# Altium PCB ssmaster.PcbDoc (part 1 of 2)
Units mm, origin at the board's own origin, x right, y up, seen from the top; angles counter-clockwise.
Board outline 103 x 75 mm, 4 copper layers (Top Layer, Ground Plane 1, Mid-Layer 1, Bottom Layer); 133 components, 273 nets, 1054 pads, 471 vias.
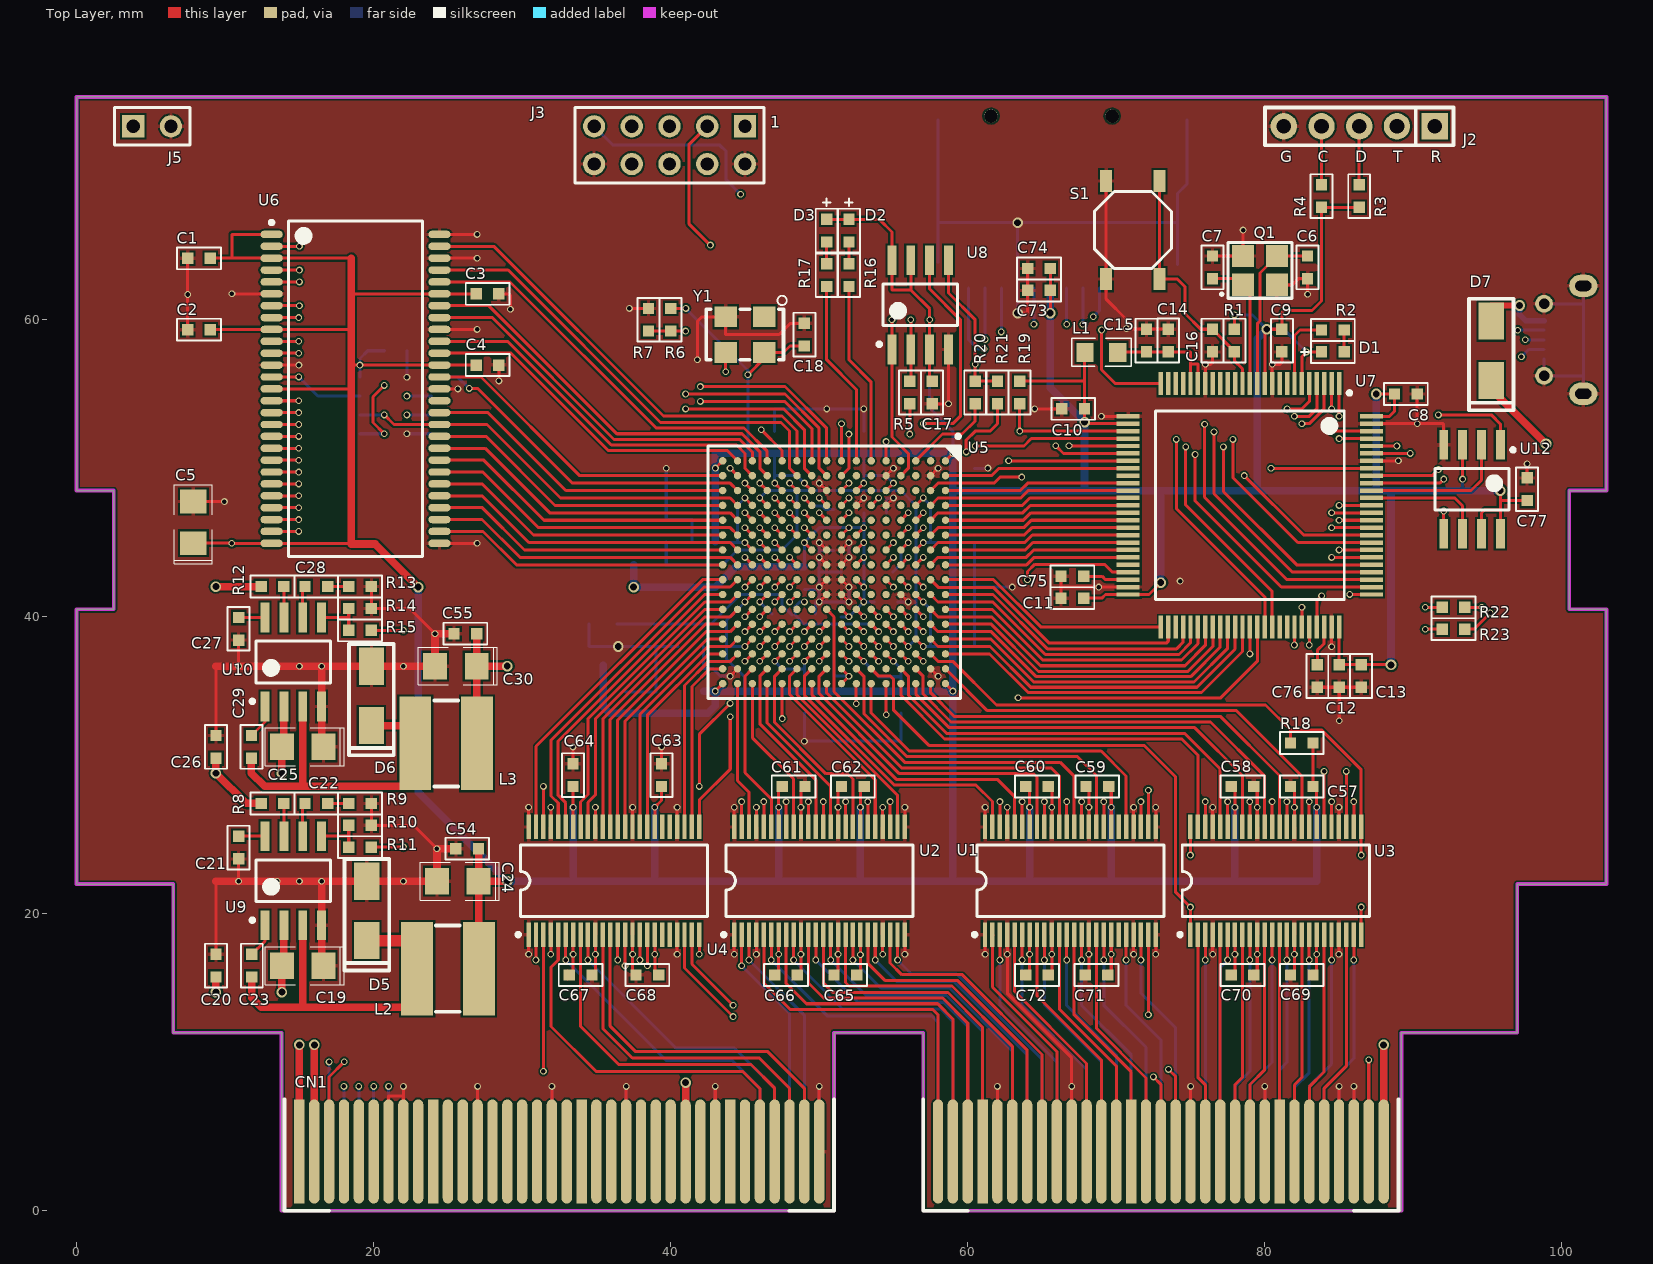
[diagram p0: Top Layer view]
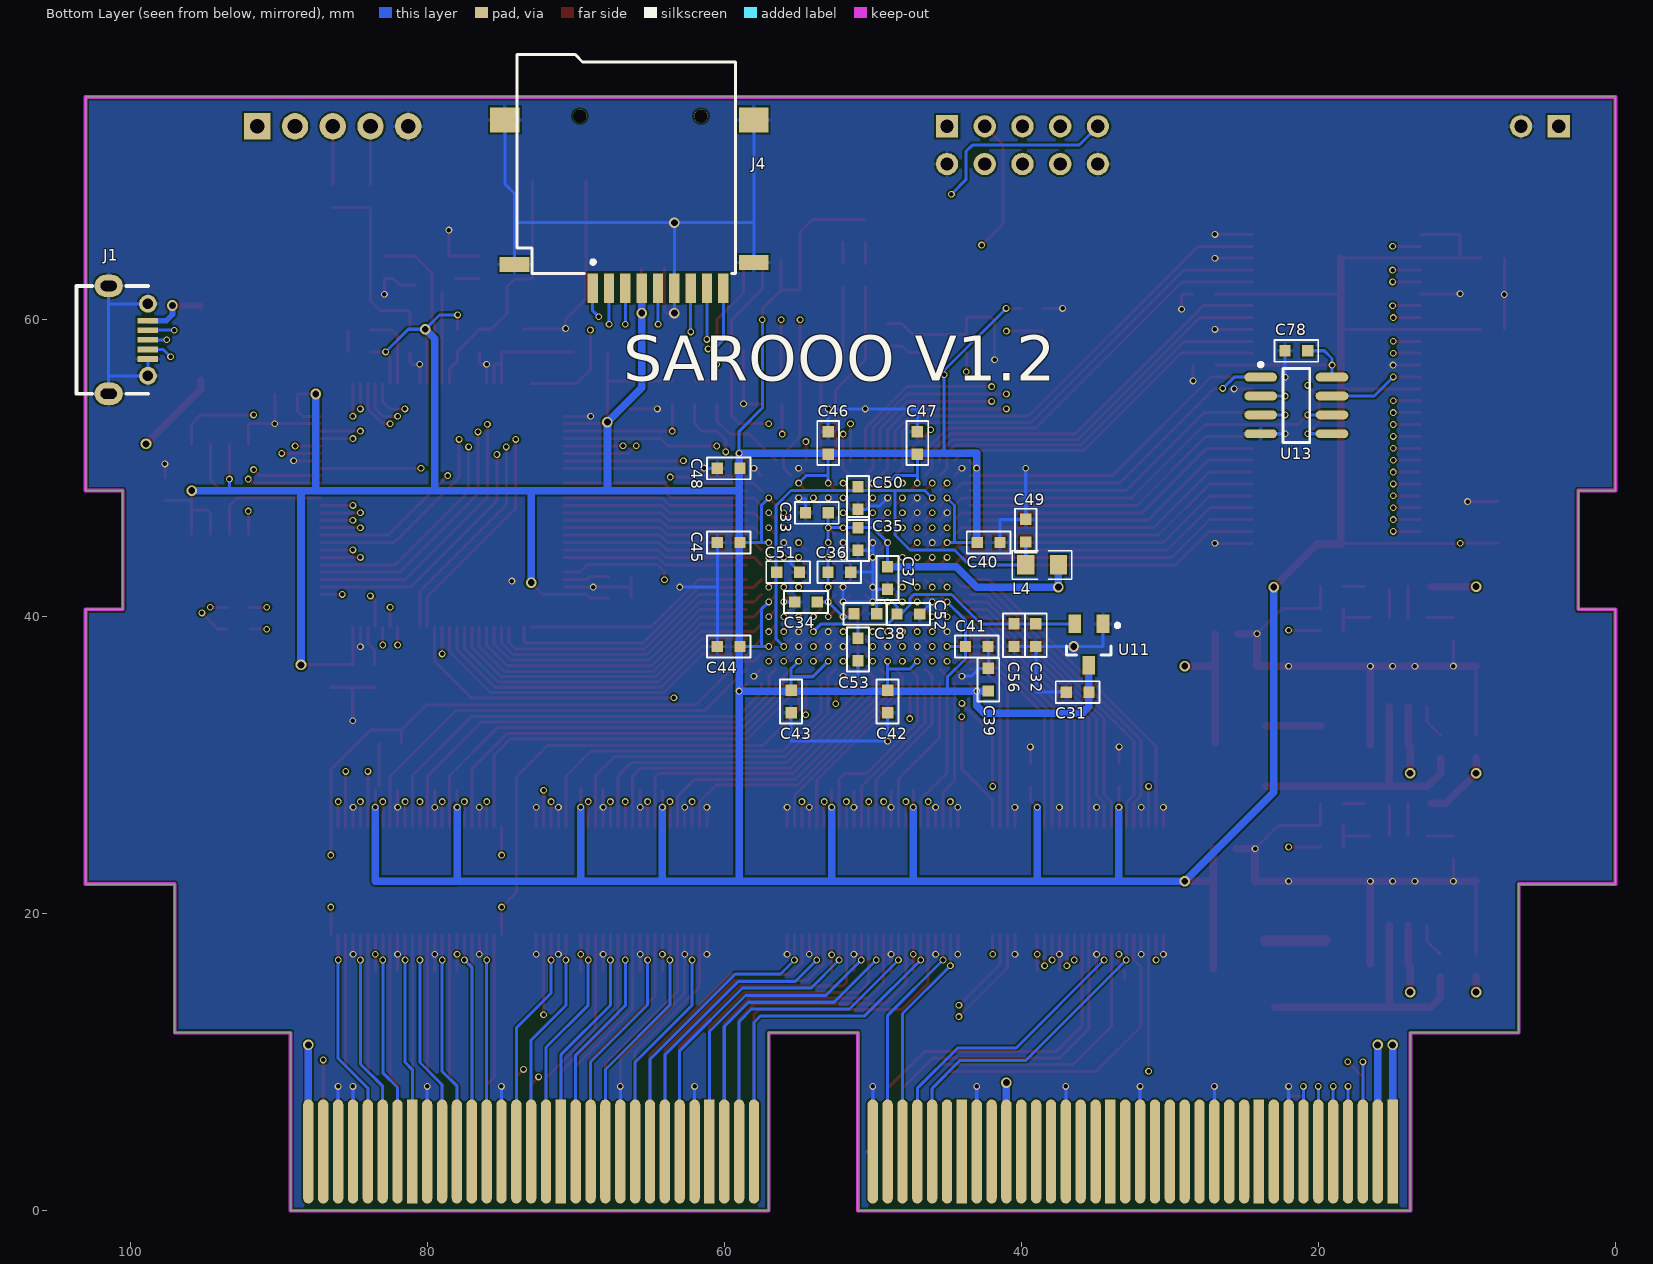
[diagram p1: Bottom Layer view, seen from below]
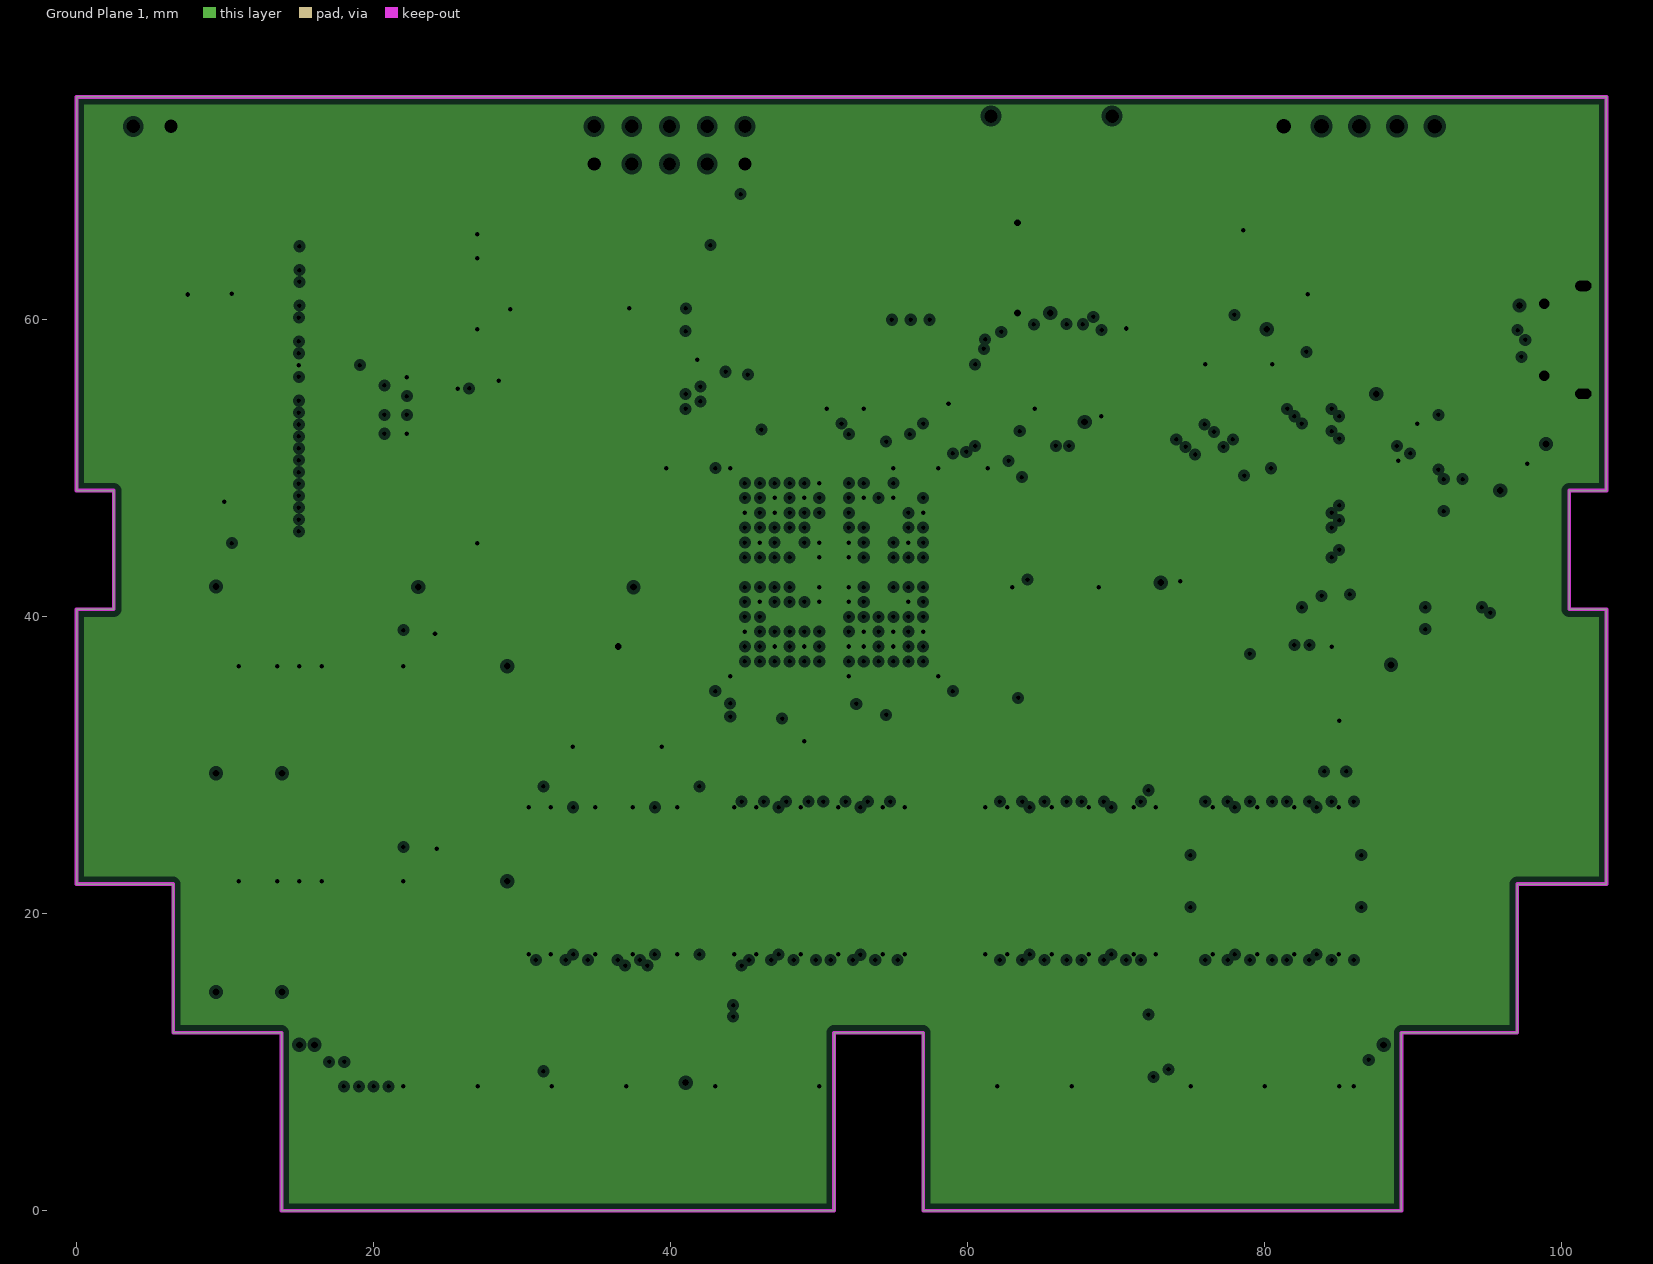
[diagram p2: Ground Plane 1, clearances drawn from the general rule]
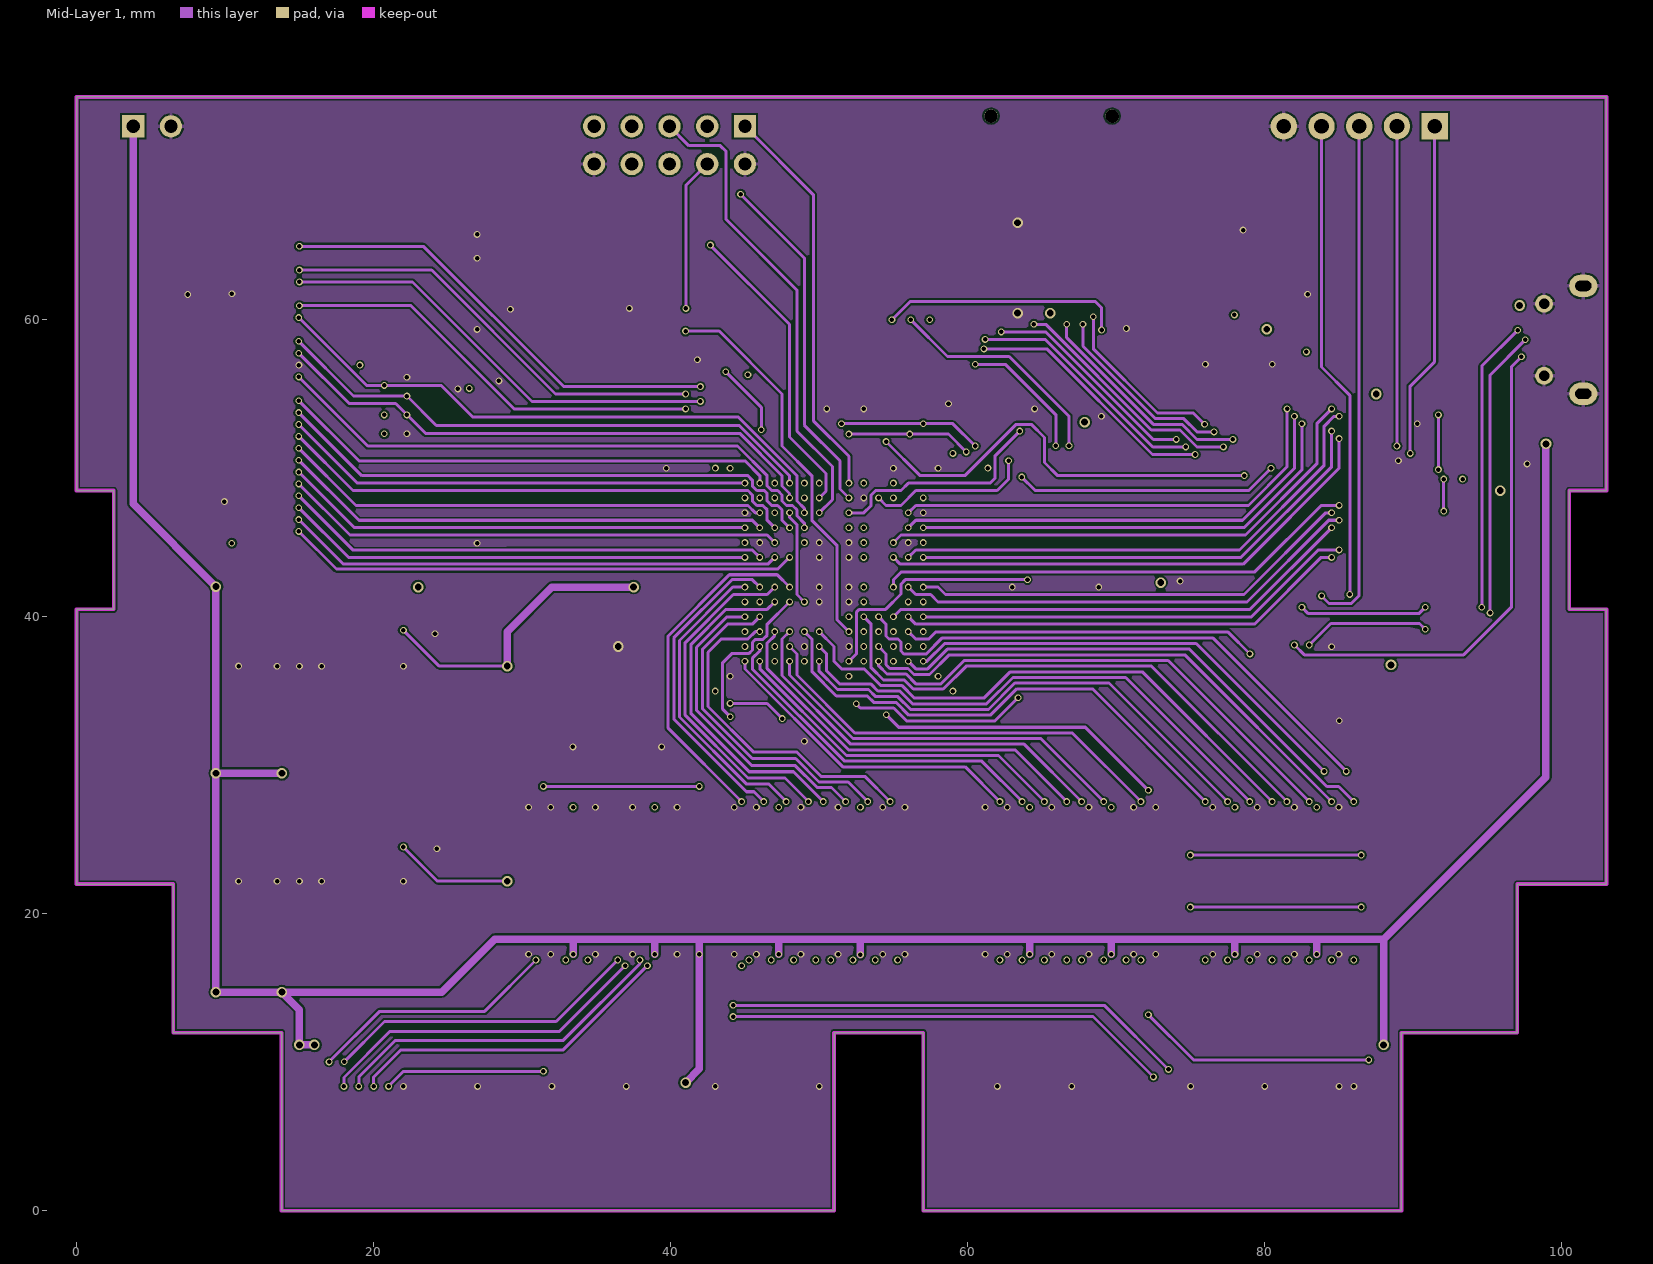
[diagram p3: Mid-Layer 1]
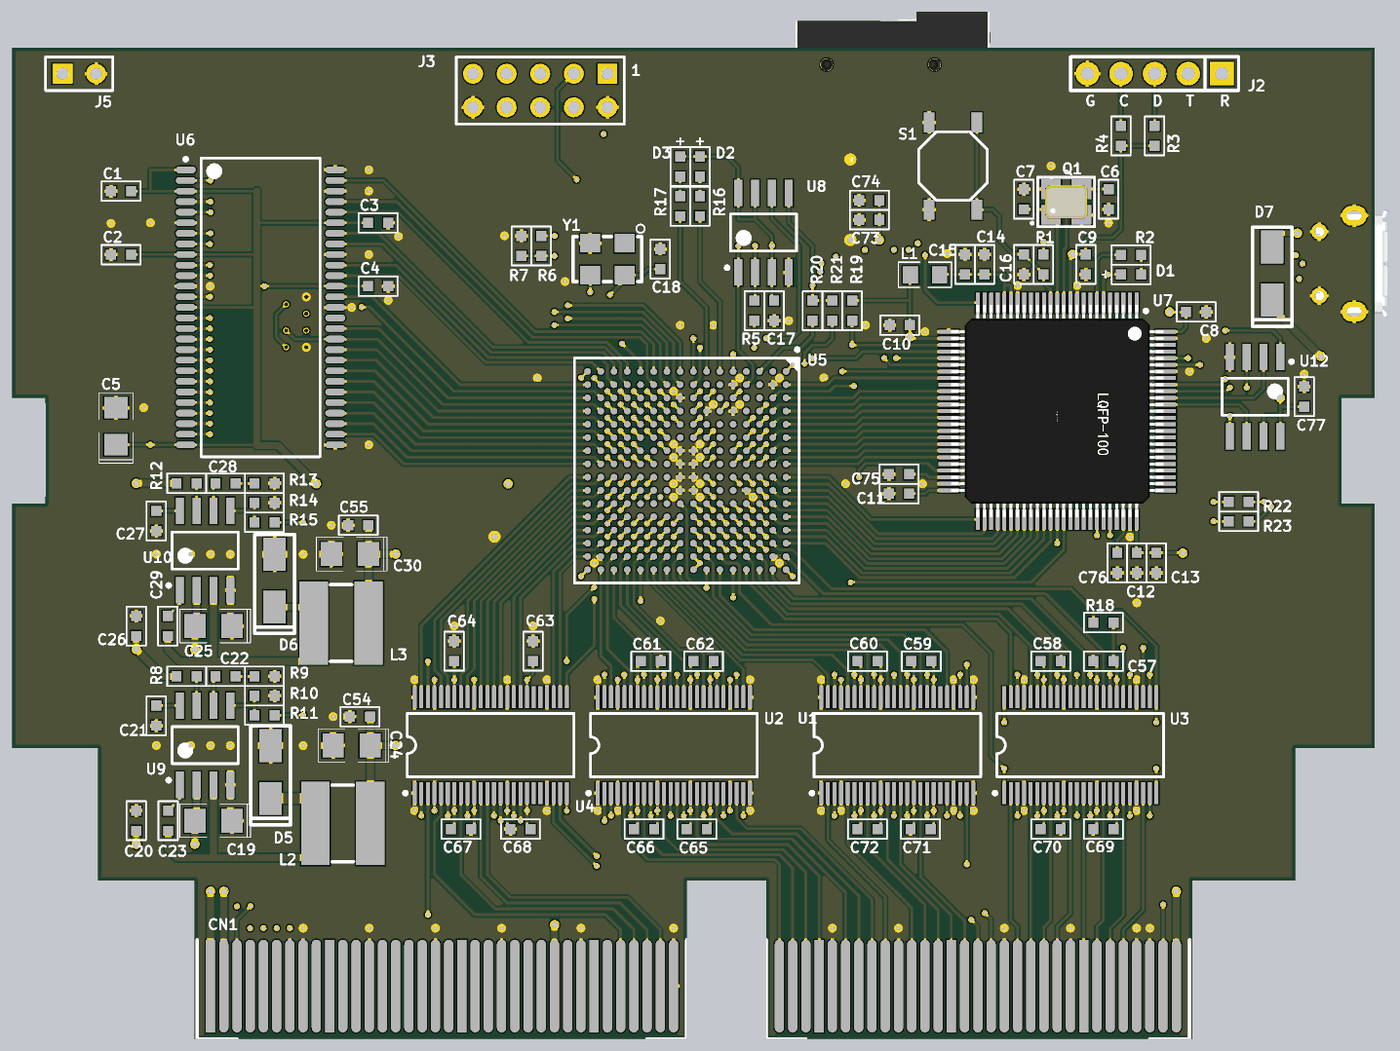
[diagram p5: 3D render of the assembled board from above, using the file's embedded part models]
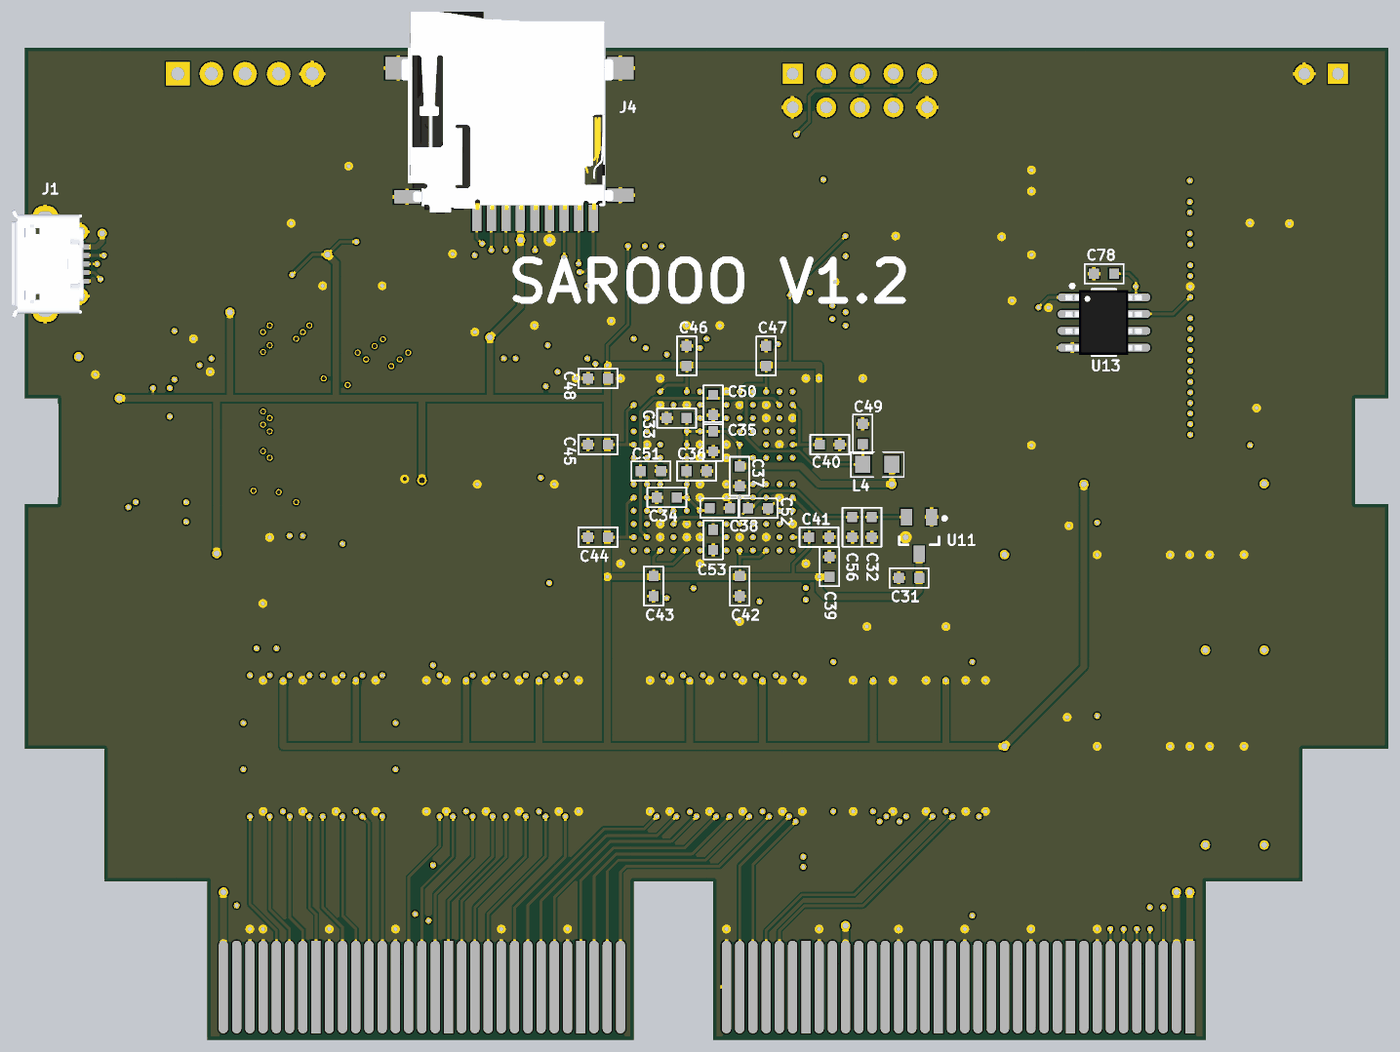
[diagram p6: 3D render of the assembled board from below, using the file's embedded part models]

## Layer stack, top to bottom
Top Layer: signal copper 0.0356
Dielectric: core 0.32, FR-4, Dk 4.8
Ground Plane 1: plane copper 0.0356, net GND
Dielectric: prepreg 0.32, FR-4, Dk 4.8
Mid-Layer 1: signal copper 0.0356
Dielectric: core 0.32, FR-4, Dk 4.8
Bottom Layer: signal copper 0.0356

## Board outline
13.8,0 13.8,12 6.5,12 6.5,22 0,22 0,40.5 2.5,40.5 2.5,48.5 0,48.5 0,75 103,75 103,48.5 100.5,48.5 100.5,40.5 103,40.5 103,22 97,22 97,12 89.2,12 89.2,0 57,0 57,12 51,12 51,0

## Design rules (kind name [scope] priority, off if disabled: settings)
AssemblyTestPointUsage [All] p1: valid=2
Clearance [All] p1: gap=0.127
ComponentClearance [All] p1: gap=0 collisioncheckmode=3 verticalgap=0 showdistances=FALSE
FabricationTestPointUsage [All] p1: valid=2 allowmultiple=FALSE
MinimumSolderMaskSliver [All] p1: minsoldermaskwidth=0.025
PlaneClearance [All] p1: clearance=0.254
PlaneConnect [All] p1: planeconnectstyle=Direct reliefexpansion=0.508 reliefentries=4 reliefconductorwidth=0.254 reliefairgap=0.254
PolygonConnect PolygonConnect_via [IsVia] p1: connectstyle=Direct reliefconductorwidth=0.254 reliefentries=4 polygonreliefangle="90 Angle"
PolygonConnect [All] p2: connectstyle=Relief reliefconductorwidth=0.254 reliefentries=4 polygonreliefangle="90 Angle"
RoutingVias [All] p1: holewidth=0.305 width=0.457 viastyle="Through Hole" minholewidth=0.305 minwidth=0.457 maxholewidth=0.457 maxwidth=0.711
SilkToSilkClearance [All] p1: silktosilkclearance=0
SilkscreenOverComponentPads [IsPad] p1: minsilkscreentomaskgap=0
SolderMaskExpansion SolderMaskExpansion_1 [(IsVia)] p1: expansion=0
SolderMaskExpansion [All] p2: expansion=0.102
Width [All] p1: maxlimit=1.27 minlimit=0.203 preferedwidth=0.203
20 further rules are at their usual default settings.

## Classes and differential pairs
component class Power: C19 C20 C21 C22 C23 C24 C25 C26 C27 C28 C29 C30 C31 C32 C54 C55 C56 D5 D6 J5 L2 L3 R8 R9 R10 R11 R12 R13 R14 R15 U9 U10 U11
component class FPGA_parts: C17 C18 C33 C34 C35 C36 C37 C38 C39 C40 C41 C42 C43 C44 C45 C46 C47 C48 C49 C50 C51 C52 C53 D2 D3 J3 L4 R5 R6 R7 R16 R17 R19 R20 R21 U5 U8 Y1
component class SDRAM: C1 C2 C3 C4 C5 C78 U6 U13
component class STM32: C6 C7 C8 C9 C10 C11 C12 C13 C14 C15 C16 C73 C74 C75 C76 C77 D1 D7 J1 J2 J4 L1 Q1 R1 R2 R3 R4 R22 R23 S1 U7 U12
component class Saturn_Cartage: C57 C58 C59 C60 C61 C62 C63 C64 C65 C66 C67 C68 C69 C70 C71 C72 CN1 R18 U1 U2 U3 U4

## Components (designator, comment, footprint, x,y, rotation, side; value= is the part's Value field where it differs from the comment)
C1 "100nF" C0603 8.239,64.135 r180 top
C2 "100nF" C0603 8.239,59.334 r180 top
C3 "100nF" C0603 27.67,61.747 r0 top
C4 "100nF" C0603 27.67,56.947 r0 top
C5 "10uF" C1206 7.858,46.355 r90 top
C6 "22pF" C0603 82.88,63.525 r90 top
C7 "22pF" C0603 76.479,63.525 r270 top
C8 "100nF" C0603 89.5,55 r0 top
C9 "100nF" C0603 81.153,58.598 r270 top
C10 "100nF" C0603 67.1,54 r180 top
C11 "100nF" C0603 67.047,41.25 r180 top
C12 "100nF" C0603 85.014,36.017 r270 top
C13 "4.7uF" C0603 86.487,36.017 r270 top
C14 "10nF" C0603 73.5,58.6 r90 top
C15 "1uF" C0603 72.034,58.598 r90 top
C16 "100nF" C0603 76.479,58.598 r90 top
C17 "100pF" C0603 57.6,55.1 r270 top
C18 "100nF" C0603 49,59 r90 top
C19 "10uF" C1206 15.224,16.51 r180 top
C20 "100nF" C0603 9.382,16.51 r90 top
C21 "100nF" C0603 10.906,24.46 r270 top
C22 "3.3nF" C0603 16.138,27.432 r0 top
C23 "10nF" C0603 11.795,16.51 r270 top
C24 "22uF" C1206 25.663,22.2 r180 top
C25 "10uF" C1206 15.224,31.242 r180 top
C26 "100nF" C0603 9.382,31.242 r90 top
C27 "100nF" C0603 10.906,39.192 r270 top
C28 "4.7nF" C0603 16.138,42.037 r0 top
C29 "10nF" C0603 11.77,31.242 r270 top
C30 "22uF" C1206 25.536,36.678 r180 top
C31 "4.7uF" C0603 36.209,34.925 r0 bottom
C32 "4.7uF" C0603 39.024,38.76 r270 bottom
C33 "100nF" C0603 53.762,47 r0 bottom
C34 "100nF" C0603 54.5,41 r0 bottom
C35 "100nF" C0603 51,45.24 r270 bottom
C36 "100nF" C0603 52.255,43 r180 bottom
C37 "10nF" C0603 49.006,42.607 r270 bottom
C38 "4.7uF" C0603 50.5,40.2 r180 bottom
C39 "4.7uF" C0603 42.224,35.763 r90 bottom
C40 "100nF" C0603 42.2,45 r180 bottom
C41 "100nF" C0603 43,38 r180 bottom
C42 "100nF" C0603 49,34.3 r270 bottom
C43 "100nF" C0603 55.5,34.3 r270 bottom
C44 "100nF" C0603 59.7,38 r0 bottom
C45 "100nF" C0603 59.7,45 r0 bottom
C46 "100nF" C0603 53,51.7 r90 bottom
C47 "100nF" C0603 47,51.7 r90 bottom
C48 "4.7uF" C0603 59.7,50 r0 bottom
C49 "4.7uF" C0603 39.7,45.8 r90 bottom
C50 "100nF" C0603 51,48 r270 bottom
C51 "100nF" C0603 55.7,43 r180 bottom
C52 "100nF" C0603 47.609,40.183 r180 bottom
C53 "100nF" C0603 51,37.8 r270 bottom
C54 "100nF" C0603 26.298,24.384 r180 top
C55 "100nF" C0603 26.171,38.862 r180 top
C56 "100nF" C0603 40.497,38.76 r270 bottom
C57 "100nF" C0603 82.49,28.575 r180 top
C58 "100nF" C0603 78.502,28.575 r0 top
C59 "100nF" C0603 68.723,28.575 r180 top
C60 "100nF" C0603 64.659,28.575 r0 top
C61 "100nF" C0603 48.276,28.575 r0 top
C62 "100nF" C0603 52.264,28.575 r180 top
C63 "100nF" C0603 39.386,29.337 r90 top
C64 "100nF" C0603 33.417,29.337 r90 top
C65 "100nF" C0603 51.756,15.875 r180 top
C66 "100nF" C0603 47.768,15.875 r0 top
C67 "100nF" C0603 33.934,15.875 r0 top
C68 "100nF" C0603 38.43,15.875 r180 top
C69 "100nF" C0603 82.49,15.875 r180 top
C70 "100nF" C0603 78.502,15.875 r0 top
C71 "100nF" C0603 68.672,15.875 r180 top
C72 "100nF" C0603 64.659,15.875 r0 top
C73 "4.7uF" C0603 64.795,61.976 r180 top
C74 "100nF" C0603 64.795,63.449 r180 top
C75 "2.2uF" C0603 67.047,42.723 r180 top
C76 "2.2uF" C0603 83.541,36.017 r270 top
C77 "100nF" C0603 97.663,48.59 r90 top
C78 "100nF" C0603 21.479,57.912 r0 bottom
CN1 "SaturnCartage" SATURN_CART 15,4 r0 top locked
D1 "LED" D0603 84.582,57.836 r180 top
D2 "LED" D0603 52,66 r90 top
D3 "LED" D0603 50.5,66 r90 top
D5 "B340A" SMA 19.542,20.193 r90 top
D6 "B340A" SMA 19.847,34.671 r90 top
D7 "B340A" SMA 95.25,57.912 r90 top
J1 "MicroUSB" USB_MICRO_5S_B 98.806,58.649 r90 bottom locked
J2 "SIP5" SIP5 86.36,73.025 r180 top locked
J3 "JTAG" HDR2X5 45,73.025 r180 top
J4 "MicroSD" MICROSD-1 58.42,74.295 r90 bottom locked
J5 "ExtPower" HDR1X2 5.08,73.025 r0 top
L1 "BLM21PG300SN1" R0805 69,57.8 r0 top
L2 "10uH" CDRH5D28 25.003,16.307 r90 top
L3 "4.7uH" CDRH5D28 24.876,31.471 r90 top
L4 "BLM21PG300SN1" R0805 38.6,43.5 r0 bottom
Q1 "16M" SMD3225 79.68,63.322 r0 top
R1 "10K" R0603 77.953,58.598 r270 top
R2 "1K" R0603 84.582,59.309 r0 top
R3 "10K" R0603 86.36,68.326 r90 top
R4 "10K" R0603 83.82,68.326 r90 top
R5 "22" R0603 56.1,55.1 r270 top
R6 "0" R0603 40,60 r270 top
R7 "0" R0603 38.5,60 r90 top
R8 "100K" R0603 13.192,27.432 r0 top
R9 "7.5K" R0603 19.085,27.432 r180 top
R10 "10K" R0603 19.085,25.959 r0 top
R11 "26.1K" R0603 19.085,24.486 r0 top
R12 "100K" R0603 13.192,42.037 r0 top
R13 "4.99K" R0603 19.085,42.037 r180 top
R14 "10K" R0603 19.085,40.564 r0 top
R15 "3K" R0603 19.085,39.091 r0 top
R16 "1K" R0603 52,63 r270 top
R17 "1K" R0603 50.5,63 r270 top
R18 "10K" R0603 82.49,31.496 r180 top
R19 "10K" R0603 63.5,55.1 r270 top
R20 "0" R0603 60.5,55.1 r90 top
R21 "0" R0603 62,55.1 r270 top
R22 "22" R0603 92.71,40.64 r0 top
R23 "22" R0603 92.71,39.167 r0 top
S1 "SW-PB" SW4_5X5 71.12,66.04 r90 top locked
U1 "SN74LVC164245A" DGG048 66.913,22.225 r0 top locked
U2 "SN74LVC164245A" DGG048 50.022,22.225 r0 top
U3 "SN74LVC164245A" DGG048 80.743,22.225 r0 top locked
U4 "SN74LVC164245A" DGG048 36.179,22.225 r0 top
U5 "EP4CE6F17C8" FBGA256 51,43 r270 top locked
U6 "K4S511632B-TC75" 54_TSOP2_400AF_N 18.78,55.347 r0 top locked
U7 "STM32H750VBT6" TQFP-100 79,47.5 r270 top locked
U8 "SST25FV080B" SOIC-8 56.8,61 r90 top
U9 "MP1482" SOIC-8 14.589,22.225 r90 top
U10 "MP1482" SOIC-8 14.589,36.957 r90 top
U11 "XC6206" sot-23-xc6206 35.449,38.125 r270 bottom
U12 "SPI_FLASH" SOIC-8 93.955,48.59 r270 top locked
U13 "SPI_SRAM" sop-8_n 21.479,54.229 r180 bottom locked
Y1 "50Mhz" OSC_5032 45,59 r180 top

## Footprints (in the part's own frame and the unit in brackets; to place one, negate y for a bottom-side part, rotate by r counter-clockwise, add the part's x,y. Pads: shape width x height; smd on the part's side, far side on the other; paste and mask are expansions set on the pad)
54_TSOP2_400AF_N [mm] "SOP, 54-Leads, Body 22.5x10.16mm, Pitch 0.8mm, IPC Medium Density"
  oval 1.5x0.5 smd: 1(-5.65,10.4) 2(-5.65,9.6) 3(-5.65,8.8) 4(-5.65,8) 5(-5.65,7.2) 6(-5.65,6.4) 7(-5.65,5.6) 8(-5.65,4.8) 9(-5.65,4) 10(-5.65,3.2) 11(-5.65,2.4) 12(-5.65,1.6) 13(-5.65,0.8) 14(-5.65,0) 15(-5.65,-0.8) 16(-5.65,-1.6) 17(-5.65,-2.4) 18(-5.65,-3.2) 19(-5.65,-4) 20(-5.65,-4.8) 21(-5.65,-5.6) 22(-5.65,-6.4) 23(-5.65,-7.2) 24(-5.65,-8) 25(-5.65,-8.8) 26(-5.65,-9.6) 27(-5.65,-10.4) 28(5.65,-10.4) 29(5.65,-9.6) 30(5.65,-8.8) 31(5.65,-8) 32(5.65,-7.2) 33(5.65,-6.4) 34(5.65,-5.6) 35(5.65,-4.8) 36(5.65,-4) 37(5.65,-3.2) 38(5.65,-2.4) 39(5.65,-1.6) 40(5.65,-0.8) 41(5.65,0) 42(5.65,0.8) 43(5.65,1.6) 44(5.65,2.4) 45(5.65,3.2) 46(5.65,4) 47(5.65,4.8) 48(5.65,5.6) 49(5.65,6.4) 50(5.65,7.2) 51(5.65,8) 52(5.65,8.8) 53(5.65,9.6) 54(5.65,10.4)
  silkscreen extent -5.77,-11.3 4.5,11.32, body extent -5.08,-11.23 5.08,11.23, height 1.2
C0603 [mil]
  rect 30x30 smd: 1(30,0) 2(-30,0)
  silkscreen extent -58,-29 58,29, body extent -32,-16 31,16, height 35
C1206 [mm]
  rect 1.6x1.8 smd: 1(-1.4,0) 2(1.4,0)
  silkscreen extent -2.8,-1.27 2.54,1.27, body extent -1.57,-0.81 1.63,0.8, height 1.02
CDRH5D28 [mm]
  rect 6.3x2.15 smd: 1(0,2.075) 2(0,-2.075)
  silkscreen extent -2.9,-0.8 2.9,0.8
D0603 [mil]
  rect 30x30 smd: 1(30,0) 2(-30,0)
  silkscreen extent -58,-29 85,29, body extent -32,-16 31,16, height 35
DGG048 [mm] "Shrink Small Outline; 48 Leads; Body Width 6.1 mm; Pitch 0.5 mm"
  rect 0.3x1.65 smd: 1(-5.75,-3.625) 2(-5.25,-3.625) 3(-4.75,-3.625) 4(-4.25,-3.625) 5(-3.75,-3.625) 6(-3.25,-3.625) 7(-2.75,-3.625) 8(-2.25,-3.625) 9(-1.75,-3.625) 10(-1.25,-3.625) 11(-0.75,-3.625) 12(-0.25,-3.625) 13(0.25,-3.625) 14(0.75,-3.625) 15(1.25,-3.625) 16(1.75,-3.625) 17(2.25,-3.625) 18(2.75,-3.625) 19(3.25,-3.625) 20(3.75,-3.625) 21(4.25,-3.625) 22(4.75,-3.625) 23(5.25,-3.625) 24(5.75,-3.625) 25(5.75,3.625) 26(5.25,3.625) 27(4.75,3.625) 28(4.25,3.625) 29(3.75,3.625) 30(3.25,3.625) 31(2.75,3.625) 32(2.25,3.625) 33(1.75,3.625) 34(1.25,3.625) 35(0.75,3.625) 36(0.25,3.625) 37(-0.25,3.625) 38(-0.75,3.625) 39(-1.25,3.625) 40(-1.75,3.625) 41(-2.25,3.625) 42(-2.75,3.625) 43(-3.25,3.625) 44(-3.75,3.625) 45(-4.25,3.625) 46(-4.75,3.625) 47(-5.25,3.625) 48(-5.75,3.625)
  silkscreen extent -6.57,-3.75 6.3,2.4
FBGA256 [mm] "BGA, 256-Leads, Body 17x17mm, Pitch 1mm"
  round 0.5 smd: A1(-7.5,7.5) A2(-6.5,7.5) A3(-5.5,7.5) A4(-4.5,7.5) A5(-3.5,7.5) A6(-2.5,7.5) A7(-1.5,7.5) A8(-0.5,7.5) A9(0.5,7.5) A10(1.5,7.5) A11(2.5,7.5) A12(3.5,7.5) A13(4.5,7.5) A14(5.5,7.5) A15(6.5,7.5) A16(7.5,7.5) B1(-7.5,6.5) B2(-6.5,6.5) B3(-5.5,6.5) B4(-4.5,6.5) B5(-3.5,6.5) B6(-2.5,6.5) B7(-1.5,6.5) B8(-0.5,6.5) B9(0.5,6.5) B10(1.5,6.5) B11(2.5,6.5) B12(3.5,6.5) B13(4.5,6.5) B14(5.5,6.5) B15(6.5,6.5) B16(7.5,6.5) C1(-7.5,5.5) C2(-6.5,5.5) C3(-5.5,5.5) C4(-4.5,5.5) C5(-3.5,5.5) C6(-2.5,5.5) C7(-1.5,5.5) C8(-0.5,5.5) C9(0.5,5.5) C10(1.5,5.5) C11(2.5,5.5) C12(3.5,5.5) C13(4.5,5.5) C14(5.5,5.5) C15(6.5,5.5) C16(7.5,5.5) D1(-7.5,4.5) D2(-6.5,4.5) D3(-5.5,4.5) D4(-4.5,4.5) D5(-3.5,4.5) D6(-2.5,4.5) D7(-1.5,4.5) D8(-0.5,4.5) D9(0.5,4.5) D10(1.5,4.5) D11(2.5,4.5) D12(3.5,4.5) D13(4.5,4.5) D14(5.5,4.5) D15(6.5,4.5) D16(7.5,4.5) E1(-7.5,3.5) E2(-6.5,3.5) E3(-5.5,3.5) E4(-4.5,3.5) E5(-3.5,3.5) E6(-2.5,3.5) E7(-1.5,3.5) E8(-0.5,3.5) E9(0.5,3.5) E10(1.5,3.5) E11(2.5,3.5) E12(3.5,3.5) E13(4.5,3.5) E14(5.5,3.5) E15(6.5,3.5) E16(7.5,3.5) F1(-7.5,2.5) F2(-6.5,2.5) F3(-5.5,2.5) F4(-4.5,2.5) F5(-3.5,2.5) F6(-2.5,2.5) F7(-1.5,2.5) F8(-0.5,2.5) F9(0.5,2.5) F10(1.5,2.5) F11(2.5,2.5) F12(3.5,2.5) F13(4.5,2.5) F14(5.5,2.5) F15(6.5,2.5) F16(7.5,2.5) G1(-7.5,1.5) G2(-6.5,1.5) G3(-5.5,1.5) G4(-4.5,1.5) G5(-3.5,1.5) G6(-2.5,1.5) G7(-1.5,1.5) G8(-0.5,1.5) G9(0.5,1.5) G10(1.5,1.5) G11(2.5,1.5) G12(3.5,1.5) G13(4.5,1.5) G14(5.5,1.5) G15(6.5,1.5) G16(7.5,1.5) H1(-7.5,0.5) H2(-6.5,0.5) H3(-5.5,0.5) H4(-4.5,0.5) H5(-3.5,0.5) H6(-2.5,0.5) H7(-1.5,0.5) H8(-0.5,0.5) H9(0.5,0.5) H10(1.5,0.5) H11(2.5,0.5) H12(3.5,0.5) H13(4.5,0.5) H14(5.5,0.5) H15(6.5,0.5) H16(7.5,0.5) J1(-7.5,-0.5) J2(-6.5,-0.5) J3(-5.5,-0.5) J4(-4.5,-0.5) J5(-3.5,-0.5) J6(-2.5,-0.5) J7(-1.5,-0.5) J8(-0.5,-0.5) J9(0.5,-0.5) J10(1.5,-0.5) J11(2.5,-0.5) J12(3.5,-0.5) J13(4.5,-0.5) J14(5.5,-0.5) J15(6.5,-0.5) J16(7.5,-0.5) K1(-7.5,-1.5) K2(-6.5,-1.5) K3(-5.5,-1.5) K4(-4.5,-1.5) K5(-3.5,-1.5) K6(-2.5,-1.5) K7(-1.5,-1.5) K8(-0.5,-1.5) K9(0.5,-1.5) K10(1.5,-1.5) K11(2.5,-1.5) K12(3.5,-1.5) K13(4.5,-1.5) K14(5.5,-1.5) K15(6.5,-1.5) K16(7.5,-1.5) L1(-7.5,-2.5) L2(-6.5,-2.5) L3(-5.5,-2.5) L4(-4.5,-2.5) L5(-3.5,-2.5) L6(-2.5,-2.5) L7(-1.5,-2.5) L8(-0.5,-2.5) L9(0.5,-2.5) L10(1.5,-2.5) L11(2.5,-2.5) L12(3.5,-2.5) L13(4.5,-2.5) L14(5.5,-2.5) L15(6.5,-2.5) L16(7.5,-2.5) M1(-7.5,-3.5) M2(-6.5,-3.5) M3(-5.5,-3.5) M4(-4.5,-3.5) M5(-3.5,-3.5) M6(-2.5,-3.5) M7(-1.5,-3.5) M8(-0.5,-3.5) M9(0.5,-3.5) M10(1.5,-3.5) M11(2.5,-3.5) M12(3.5,-3.5) M13(4.5,-3.5) M14(5.5,-3.5) M15(6.5,-3.5) M16(7.5,-3.5) N1(-7.5,-4.5) N2(-6.5,-4.5) N3(-5.5,-4.5) N4(-4.5,-4.5) N5(-3.5,-4.5) N6(-2.5,-4.5) N7(-1.5,-4.5) N8(-0.5,-4.5) N9(0.5,-4.5) N10(1.5,-4.5) N11(2.5,-4.5) N12(3.5,-4.5) N13(4.5,-4.5) N14(5.5,-4.5) N15(6.5,-4.5) N16(7.5,-4.5) P1(-7.5,-5.5) P2(-6.5,-5.5) P3(-5.5,-5.5) P4(-4.5,-5.5) P5(-3.5,-5.5) P6(-2.5,-5.5) P7(-1.5,-5.5) P8(-0.5,-5.5) P9(0.5,-5.5) P10(1.5,-5.5) P11(2.5,-5.5) P12(3.5,-5.5) P13(4.5,-5.5) P14(5.5,-5.5) P15(6.5,-5.5) P16(7.5,-5.5) R1(-7.5,-6.5) R2(-6.5,-6.5) R3(-5.5,-6.5) R4(-4.5,-6.5) R5(-3.5,-6.5) R6(-2.5,-6.5) R7(-1.5,-6.5) R8(-0.5,-6.5) R9(0.5,-6.5) R10(1.5,-6.5) R11(2.5,-6.5) R12(3.5,-6.5) R13(4.5,-6.5) R14(5.5,-6.5) R15(6.5,-6.5) R16(7.5,-6.5) T1(-7.5,-7.5) T2(-6.5,-7.5) T3(-5.5,-7.5) T4(-4.5,-7.5) T5(-3.5,-7.5) T6(-2.5,-7.5) T7(-1.5,-7.5) T8(-0.5,-7.5) T9(0.5,-7.5) T10(1.5,-7.5) T11(2.5,-7.5) T12(3.5,-7.5) T13(4.5,-7.5) T14(5.5,-7.5) T15(6.5,-7.5) T16(7.5,-7.5)